# Allegro board TNR_REV00_150306.brd (continued)
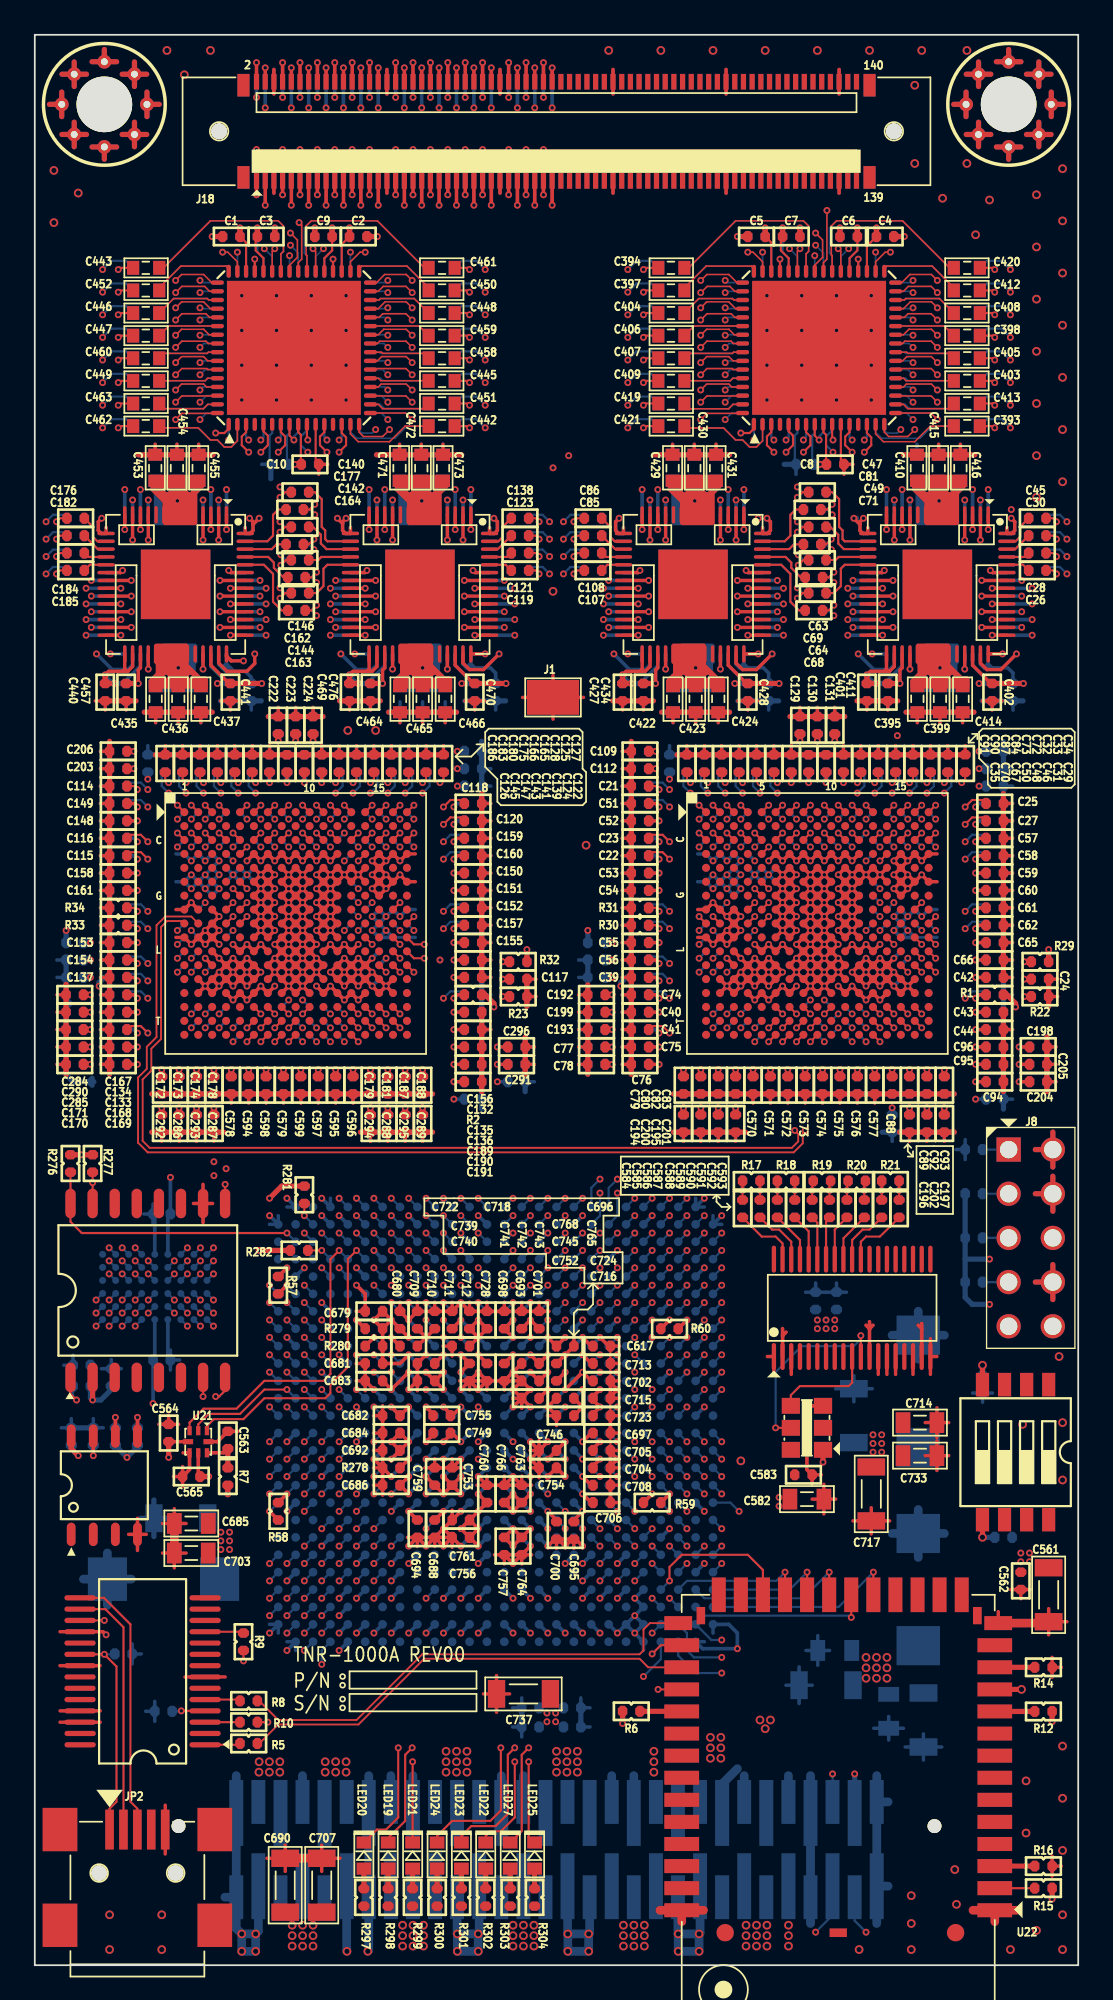
[diagram p0: board, top side]
## Routing (per net, layer and track width the routed paths; a pad name or vN(x,y) marks a point on that pad's centre or on a via; arc(x,y) is an arc through that point) (continued)
MUX_DIN3: length 6.6
  TOP w0.125: U2.12 16.65,88.15 16.4,87.9 16.4,87.4 v1(16.8,87)
  3-IN w0.095: v1(14,87.7) 14.5,88.2 16,88.2 16.3,87.9 16.3,87.5 v1(16.8,87)
  BOTTOM w0.125: U3.10 14.15,87.85 v1(14,87.7)
MUX_DIN4: length 34.3
  4-IN w0.095: v1(44.2,87.7) 43.4,88.5 40.3,88.5 39.5,87.7 18.6,87.7 18,88.3 13.6,88.3 v1(13,87.7)
  BOTTOM w0.125: U3.12 13.15,87.85 v1(13,87.7) ; v1(44.2,87.7) 44.35,87.85 U4.10
MUX_LE: length 94.9
  TOP w0.125: v1(44.2,87) 44.6,87.4 44.6,87.9 44.35,88.15 U1.7 ; v1(14,87) 14.4,87.4 14.4,87.9 14.15,88.15 U2.7
  4-IN w0.095: v1(14,87) v1(15.7,87) 16.3,86.4 29.5,86.4 v1(29.8,86.1) 30.1,86.4 43.6,86.4 v1(44.2,87) v1(45.9,87)
  6-IN w0.095: v1(29.8,86.1) 29.8,85.5 24.2,79.9 24.2,75.3 25.6,73.9 25.6,47.6 26.6,46.6 26.6,41.2 27.2,40.6 27.6,40.6 28,40.2 28,39.9 28.3,39.6 28.7,39.6 29,39.3 29,37.6 v1(29.5,37.1)
  BOTTOM w0.125: U4.7 45.85,88.25 45.5,87.9 45.5,87.4 v1(45.9,87) ; v1(15.7,87) 15.3,87.4 15.3,87.9 15.65,88.25 U3.7 ; U88.H11 v1(29.5,37.1)
Net_2: length 0.7
  BOTTOM w0.125: 39,25.6 v1(39.5,25.1)
Net_1056: length 1
  BOTTOM w0.125: v1(43.2,87.7) 43.35,87.85 43.35,88.6
Net_1114: length 0.6
  BOTTOM w0.125: 15,64.7 v1(15.4,64.3)
Net_1207: length 0.6
  BOTTOM w0.125: 45,64.7 v1(45.4,64.3)
Net_1333: length 0.6
  TOP w0.125: 48.2,55.1 v1(48.6,54.7)
Net_1426: length 0.6
  TOP w0.125: 18.2,55.1 v1(18.6,54.7)
PM_CLK: length 21.1
  12-IN w0.095: v1(34.5,22.1) 35,21.6 40.1,21.6 44.17,17.52 44.17,12.7 v1(45.88,11)
  BOTTOM w0.125: U88.AB5 v1(34.5,22.1) ; J20.55 v1(45.88,11)
PM_CS: length 32.7
  12-IN w0.095: v1(44.9,1.9) 42.98,3.83 42.98,16.93 40.2,19.7 34.1,19.7 33,20.8 33,21.6 v1(33.5,22.1)
  BOTTOM w0.125: U88.AB6 v1(33.5,22.1) ; J20.56 45.88,2.88 v1(44.9,1.9)
PM_SDI: length 34.4
  12-IN w0.095: v1(32.5,22.1) U88.AB7 33.7,22.6 34,22.3 34,20.9 34.3,20.6 40.2,20.6 43.58,17.23 43.58,6.12 v1(47.8,1.9)
  BOTTOM w0.125: v1(47.8,1.9) 47.15,2.56 J20.58 ; U88.AB7 v1(32.5,22.1)
T/R1: length 1.4
  TOP w0.125: C26.2 56.83,80.53 U13.52
T/R2: length 1.3
  TOP w0.125: C28.2 56.92,80.97 U13.53
T/R3: length 1.6
  TOP w0.125: C30.2 56.38,81.42 55.9,81.42
T/R4: length 2.1
  TOP w0.125: C45.2 56.66,82.71 56.66,82.14 56.4,81.88 U13.55
T/R5: length 4.8
  TOP w0.125: U13.16 46.58,81.88 46.45,82 46.45,82.5 46.25,82.7 46.25,84.3 45.85,84.7 C47.2
T/R6: length 3.2
  TOP w0.125: 47.9,81.42 46.52,81.42 46.2,81.75 46.2,82.25 45.75,82.7 C49.2
T/R7: length 2.5
  TOP w0.125: 45.42,80.8 C63.2 46.05,80.8 46.23,80.97 U13.18
T/R8: length 3.7
  TOP w0.125: U13.19 46.58,80.53 46.35,80.3 46.35,79.3 45.95,78.9 C64.2 45.42,78.9
T/R9: length 4.5
  TOP w0.125: 44.38,77.9 C68.2 43.95,77.9 43.45,78.4 43.45,80 42.92,80.53 U14.52
T/R10: length 3.2
  TOP w0.125: 44.38,79.8 C69.2 44.05,79.8 43.5,80.35 43.5,80.65 43.17,80.97 U14.53
T/R11: length 2.5
  TOP w0.125: 41.85,81.42 43.38,81.42 43.65,81.7 C71.2 44.27,81.7
T/R12: length 3.8
  TOP w0.125: C81.2 43.75,83.7 43.45,83.4 43.45,82.2 43.12,81.88 U14.55
T/R13: length 2.1
  TOP w0.125: C86.2 33.1,82.7 33.1,82.12 33.35,81.88 U14.16
T/R14: length 1.6
  TOP w0.125: 33.85,81.42 33.38,81.42 C85.2
T/R15: length 1.3
  TOP w0.125: U14.18 32.83,80.97 C108.2
T/R16: length 1.4
  TOP w0.125: C107.2 32.92,80.53 U14.19
T/R17: length 1.4
  TOP w0.125: U16.52 27.07,80.53 C119.2
T/R18: length 1.3
  TOP w0.125: U16.53 27.18,80.97 C121.2
T/R19: length 1.6
  TOP w0.125: C123.2 26.62,81.42 26.15,81.42
T/R20: length 2.1
  TOP w0.125: C138.2 26.89,82.69 26.89,82.11 26.65,81.88 U16.55
T/R21: length 4.8
  TOP w0.125: U16.16 16.82,81.88 16.7,82 16.7,82.5 16.5,82.7 16.5,84.3 16.1,84.7 C140.2
T/R22: length 3.2
  TOP w0.125: 18.15,81.42 16.77,81.42 16.45,81.75 16.45,82.25 16,82.7 C142.2
T/R23: length 2.5
  TOP w0.125: U16.18 16.48,80.97 16.3,80.8 C146.2 15.68,80.8
T/R24: length 3.7
  TOP w0.125: 15.68,78.9 C144.2 16.2,78.9 16.6,79.3 16.6,80.3 16.82,80.53 U16.19
T/R25: length 4.5
  TOP w0.125: U15.52 13.18,80.53 13.7,80 13.7,78.4 14.2,77.9 C163.2 14.62,77.9
T/R26: length 3.2
  TOP w0.125: U15.53 13.43,80.97 13.75,80.65 13.75,80.35 14.3,79.8 C162.2 14.62,79.8
T/R27: length 2.5
  TOP w0.125: 14.53,81.7 C164.2 13.9,81.7 13.62,81.42 12.1,81.42
T/R28: length 3.8
  TOP w0.125: C177.2 14,83.7 13.7,83.4 13.7,82.2 13.38,81.88 U15.55
T/R29: length 2.1
  TOP w0.125: U15.16 3.6,81.88 3.35,82.12 3.35,82.7 C176.2
T/R30: length 1.6
  TOP w0.125: C182.2 3.62,81.42 4.1,81.42
T/R31: length 1.3
  TOP w0.125: C184.2 3.08,80.97 U15.18
T/R32: length 1.4
  TOP w0.125: U15.19 3.17,80.53 C185.2
T/R33: length 1.4
  BOTTOM w0.125: U18.52 3.17,80.53 C212.2
T/R34: length 1.3
  BOTTOM w0.125: C214.2 3.08,80.97 U18.53
T/R35: length 1.6
  BOTTOM w0.125: C216.2 3.62,81.42 4.1,81.42
T/R36: length 2.1
  BOTTOM w0.125: U18.55 3.6,81.88 3.35,82.12 3.35,82.7 C231.2
T/R37: length 3.8
  BOTTOM w0.125: U18.16 13.38,81.88 13.7,82.2 13.7,83.4 14,83.7 C233.2
T/R38: length 2.5
  BOTTOM w0.125: C235.2 13.9,81.7 13.62,81.42 12.1,81.42
T/R39: length 3.1
  BOTTOM w0.125: C250.2 14.3,79.8 13.75,80.35 13.75,80.65 13.43,80.97 U18.18
T/R40: length 4.5
  BOTTOM w0.125: C252.2 14.2,77.9 13.7,78.4 13.7,80 13.18,80.53 U18.19
T/R41: length 3.7
  BOTTOM w0.125: C256.2 16.2,78.9 16.6,79.3 16.6,80.3 16.82,80.53 U17.52
T/R42: length 2.5
  BOTTOM w0.125: U17.53 16.48,80.97 16.3,80.8 C255.2
T/R43: length 3.2
  BOTTOM w0.125: C257.2 16,82.7 16.45,82.25 16.45,81.75 16.77,81.42 18.15,81.42
T/R44: length 4.8
  BOTTOM w0.125: U17.55 16.82,81.88 16.7,82 16.7,82.5 16.5,82.7 16.5,84.3 16.1,84.7 C268.2
T/R45: length 2.2
  BOTTOM w0.125: C269.2 26.9,82.7 26.9,82.1 26.68,81.88 U17.16
T/R46: length 1.6
  BOTTOM w0.125: C275.2 26.62,81.42 26.15,81.42
T/R47: length 1.3
  BOTTOM w0.125: C276.2 27.18,80.97 U17.18
T/R48: length 1.4
  BOTTOM w0.125: U17.19 27.07,80.53 C297.2
T/R49: length 1.4
  BOTTOM w0.125: U19.52 32.92,80.53 C305.2
T/R50: length 1.3
  BOTTOM w0.125: C307.2 32.83,80.97 U19.53
T/R51: length 1.6
  BOTTOM w0.125: 33.85,81.42 33.38,81.42 C309.2
T/R52: length 2.1
  BOTTOM w0.125: C324.2 33.1,82.7 33.1,82.12 33.35,81.88 U19.55
T/R53: length 3.8
  BOTTOM w0.125: U19.16 43.12,81.88 43.45,82.2 43.45,83.4 43.75,83.7 C326.2
T/R54: length 2.5
  BOTTOM w0.125: C328.2 43.65,81.7 43.38,81.42 41.85,81.42
T/R55: length 3.1
  BOTTOM w0.125: U19.18 43.17,80.97 43.5,80.65 43.5,80.35 44.05,79.8 C344.2
T/R56: length 4.5
  BOTTOM w0.125: C347.2 43.95,77.9 43.45,78.4 43.45,80 42.92,80.53 U19.19
T/R57: length 3.7
  BOTTOM w0.125: C346.2 45.95,78.9 46.35,79.3 46.35,80.3 46.58,80.53 U20.52
T/R58: length 2.5
  BOTTOM w0.125: C348.2 46.05,80.8 46.23,80.97 U20.53
T/R59: length 3.2
  BOTTOM w0.125: C351.2 45.75,82.7 46.2,82.25 46.2,81.75 46.52,81.42 47.9,81.42
T/R60: length 4.8
  BOTTOM w0.125: U20.55 46.58,81.88 46.45,82 46.45,82.5 46.25,82.7 46.25,84.3 45.85,84.7 C353.2
T/R61: length 2.1
  BOTTOM w0.125: C355.2 56.66,82.71 56.66,82.14 56.4,81.88 U20.16
T/R62: length 1.6
  BOTTOM w0.125: 55.9,81.42 56.38,81.42 C363.2
T/R63: length 1.3
  BOTTOM w0.125: U20.18 56.92,80.97 C370.2
T/R64: length 1.4
  BOTTOM w0.125: U20.19 56.83,80.53 C389.2
TCK: length 29.1
  6-IN w0.095: J8.1 57.2,45.7 57.2,43.7 56.6,43.1 53.6,43.1 51.1,40.6 36,40.6 v1(35.5,40.1)
  BOTTOM w0.125: R272.1 J8.1 ; U88.E5 v1(35.5,40.1)
TDI: length 23.8
  6-IN w0.095: J8.5 53.42,41.82 51.2,39.6 36,39.6 v1(35.5,39.1)
  BOTTOM w0.125: R274.2 J8.5 ; U88.F5 v1(35.5,39.1)
TDO: length 26
  6-IN w0.095: v1(33.5,40.1) 34,39.6 34,39 34.4,38.6 55.32,38.6 J8.7
  BOTTOM w0.125: U88.E7 v1(33.5,40.1) ; R275.2 J8.7
TMS: length 25.8
  6-IN w0.095: v1(34.5,40.1) 35,40.6 35,41.2 35.4,41.6 51.2,41.6 53.96,44.36 J8.3
  BOTTOM w0.125: U88.E6 v1(34.5,40.1) ; R273.2 J8.3
UART0_CTS: length 26.5
  TOP w0.125: R9.2 v1(12,17.5) ; U22.30 v1(35.84,15.86)
  12-IN w0.095: v1(12,17.5) 13.64,15.86 v1(35.84,15.86)
UART0_RTS: length 26.2
  TOP w0.125: v1(35.5,17.9) 36,18.4 U22.28 ; R10.2 v1(13.4,13.97)
  6-IN w0.095: v1(13.4,13.97) 21.98,13.97 25.9,17.9 v1(35.5,17.9)
UART0_RX: length 26.6
  TOP w0.11: R5.2 12.91,12.75 14,13.84 18.61,13.84 22.39,17.62 34.78,17.62 35.27,17.13 U22.29
UART0_TX: length 27.7
  TOP w0.11: R8.2 12.9,15.2 14,14.1 18.5,14.1 22.28,17.88 34.78,17.88 35,18.1 35,19.3 35.37,19.67 U22.27
VTT2: length 0.7
  BOTTOM w0.125: U88.N20 v1(19.5,32.1)
VTT3: length 0.7
  BOTTOM w0.125: U88.P20 v1(19.5,30.1)
VTT6: length 0.7
  BOTTOM w0.125: U88.P7 v1(33.5,30.1)
VTT7: length 0.7
  BOTTOM w0.125: U88.N7 v1(33.5,32.1)
WIFI_SDIO_CLK: length 7.1
  TOP w0.125: v1(44.41,22.6) U22.22
  BOTTOM w0.125: U88.AC1 43.41,21.6 v1(44.41,22.6)
WIFI_SDIO_CMD: length 9.8
  TOP w0.125: U22.21 v1(45.68,22.6)
  BOTTOM w0.125: U88.AC2 38.5,21.1 44.18,21.1 v1(45.68,22.6)
WIFI_SDIO_DATA0: length 7.9
  TOP w0.125: U22.23 v1(43.14,22.6)
  BOTTOM w0.125: v1(43.14,22.6) 42.64,22.1 37.5,22.1 U88.AC3
WIFI_SDIO_DATA1: length 9
  TOP w0.125: U22.24 41.87,22.73 41,23.6 37.2,23.6 36.5,22.9 v1(36.5,22.1)
  BOTTOM w0.125: U88.AC4 v1(36.5,22.1)
WIFI_SDIO_DATA2: length 11.3
  TOP w0.125: U22.19 v1(48.22,22.6)
  BOTTOM w0.125: U88.AD1 46.22,20.6 v1(48.22,22.6)
WIFI_SDIO_DATA3: length 10.5
  TOP w0.125: U22.20 v1(46.95,20)
  BOTTOM w0.125: U88.AD2 38.5,20.1 46.85,20.1 v1(46.95,20)
XDCR1: length 65.1
  TOP w0.125: v1(47.7,87) 48.1,87.4 48.1,87.85 47.85,88.1 U1.14
  TOP w0.21: J18.1 v1(12.75,101.8)
  12-IN w0.095: v1(12.75,101.8) 12.75,103.85 15,106.1 46.3,106.1 53.1,99.3 53.1,93 52.6,92.5 52.6,88.9 50.7,87 v1(47.7,87)
XDCR2: length 36
  TOP w0.125: v1(17.5,87) 17.9,87.4 17.9,87.85 17.65,88.1 U2.14
  8-IN w0.095: v1(17.5,87) 20.5,87 22.8,89.3 22.8,97.3 21.9,98.2 19.53,98.2 19.03,97.7 12.4,97.7 12.1,98 12.1,99.4 12.3,99.6 12.3,103.95 v1(12.75,104.4)
  BOTTOM w0.21: J19.139 v1(12.75,104.4)
XDCR3: length 57.4
  TOP w0.095: U1.17 51.52,89.25 v1(51.9,88.88)
  TOP w0.21: J18.2 v1(12.75,109.4)
  6-IN w0.095: v1(12.75,109.4) 12.75,108.87 13.32,108.3 29.2,108.3 35.2,102.3 48.4,102.3 51,99.7 51,89.78 v1(51.9,88.88)
XDCR4: length 35.8
  TOP w0.095: U2.17 21.32,89.25 v1(21.7,88.88)
  8-IN w0.095: v1(21.7,88.88) 21.18,89.4 11.6,89.4 10.4,90.6 10.4,97.1 9,98.5 9,106 10.4,107.4 v1(12.75,107.4)
  BOTTOM w0.21: J19.140 v1(12.75,107.4)
XDCR5: length 58.5
  TOP w0.095: U1.20 49.95,90.75 50.12,90.92 51.56,90.92 v1(51.9,90.58)
  TOP w0.21: J18.3 v1(13.25,101.2)
  12-IN w0.095: v1(13.25,101.2) 13.25,102.85 13.8,103.4 13.8,104.5 15,105.7 46.1,105.7 52.7,99.1 52.7,93.3 52.3,92.9 52.3,90.97 v1(51.9,90.58)
XDCR6: length 31.8
  TOP w0.095: v1(21.7,90.58) 21.36,90.92 19.92,90.92 19.75,90.75 U2.20
  8-IN w0.095: v1(13.25,103.8) 13.25,104.55 13,104.8 12.48,104.8 11.2,103.52 11.2,98.1 12,97.3 19.05,97.3 19.65,97.9 21.78,97.9 22.5,97.18 22.5,91.38 v1(21.7,90.58)
  BOTTOM w0.21: J19.137 v1(13.25,103.8)
XDCR7: length 53.4
  TOP w0.095: v1(51.9,92.15) 51.56,92.49 50.14,92.49 49.9,92.25 U1.23
  TOP w0.21: J18.4 v1(13.25,109.1)
  6-IN w0.095: v1(13.25,109.1) 13.85,108.5 29.8,108.5 35.5,102.8 48.6,102.8 51.5,99.9 51.5,92.55 v1(51.9,92.15)
XDCR8: length 31.3
  TOP w0.095: U2.23 19.7,92.25 19.94,92.49 21.36,92.49 v1(21.7,92.15)
  6-IN w0.095: v1(13.25,106.8) 9.3,102.85 9.3,98.7 10.7,97.3 20.5,97.3 20.8,97 20.8,93.05 v1(21.7,92.15)
  BOTTOM w0.21: J19.138 v1(13.25,106.8)
XDCR9: length 52.4
  TOP w0.095: v1(51.9,93.72) 51.56,94.07 50.27,94.07 49.95,93.75 U1.26
  TOP w0.21: J18.7 v1(14.25,101.8)
  12-IN w0.095: v1(51.9,93.72) 52.3,94.12 52.3,98.92 45.92,105.3 15.4,105.3 14.8,104.7 14.8,104.4 14.25,103.85 v1(14.25,101.8)
XDCR10: length 31.4
  TOP w0.095: v1(21.7,93.72) 21.36,94.07 20.07,94.07 19.75,93.75 U2.26
  8-IN w0.095: v1(14.25,104.4) 13.43,105.22 12.32,105.22 9.78,102.68 9.78,98.82 11.7,96.9 19.1,96.9 19.78,97.58 21.64,97.58 22.18,97.04 22.18,94.21 v1(21.7,93.72)
  BOTTOM w0.21: J19.133 v1(14.25,104.4)
XDCR11: length 50.8
  TOP w0.095: U1.29 49.95,95.25 50.34,95.64 51.56,95.64 v1(51.9,95.3)
  TOP w0.21: J18.8 v1(14.25,109.4)
  6-IN w0.095: v1(14.25,109.4) 14.25,108.95 14.5,108.7 30.4,108.7 35.8,103.3 48.8,103.3 52.4,99.7 52.4,95.8 v1(51.9,95.3)
XDCR12: length 28.4
  TOP w0.095: U2.29 19.75,95.25 20.14,95.64 21.36,95.64 v1(21.7,95.3)
  6-IN w0.095: v1(14.25,107.4) 14.25,106.95 13.6,106.3 13.3,106.3 9.7,102.7 9.7,99 11,97.7 20.7,97.7 21.3,97.1 21.3,95.7 v1(21.7,95.3)
  BOTTOM w0.21: J19.134 v1(14.25,107.4)
XDCR13: length 48.6
  TOP w0.095: U1.32 49.85,96.75 50.32,97.22 51.56,97.22 v1(51.9,96.88)
  TOP w0.21: J18.9 v1(14.75,101.2)
  12-IN w0.095: v1(14.75,101.2) 14.75,102.9 15.26,103.41 15.26,103.86 15.8,104.4 15.8,104.7 16,104.9 45.7,104.9 51.9,98.7 v1(51.9,96.88)
XDCR14: length 29.6
  TOP w0.095: v1(21.7,96.88) 21.36,97.22 20.12,97.22 19.65,96.75 U2.32
  8-IN w0.095: v1(21.7,96.88) 21.27,97.3 19.9,97.3 19.1,96.5 11.5,96.5 9.4,98.6 9.4,102.9 12.1,105.6 13.8,105.6 14.75,104.65 v1(14.75,103.8)
  BOTTOM w0.21: J19.131 v1(14.75,103.8)
XDCR15: length 39.2
  TOP w0.095: v1(46.2,98.7) 46.35,98.55 U1.38
  TOP w0.21: J18.10 v1(14.75,109.1)
  3-IN w0.095: v1(14.75,109.1) 14.75,109.5 15.35,110.1 31.4,110.1 40.3,101.2 44.1,101.2 46.2,99.1 v1(46.2,98.7)
XDCR16: length 15.3
  TOP w0.095: U2.38 16.15,98.55 v1(16,98.7)
  6-IN w0.095: v1(16,98.7) 15.7,99 15.7,100.4 15.4,100.7 12.9,100.7 12.2,101.4 12.2,104.6 13,105.4 13.35,105.4 v1(14.75,106.8)
  BOTTOM w0.21: J19.132 v1(14.75,106.8)
XDCR17: length 34.6
  TOP w0.095: v1(44.9,99.6) 45.3,99.2 45.3,98.2 44.85,97.75 U1.41
  TOP w0.21: J18.11 v1(15.25,101.8)
  6-IN w0.095: v1(44.9,99.6) 44.9,99.8 43.7,101 31.8,101 30.3,102.5 15.95,102.5 v1(15.25,101.8)
XDCR18: length 10.1
  TOP w0.095: v1(14.7,99.6) 15.1,99.2 15.1,98.2 14.65,97.75 U2.41
  8-IN w0.095: v1(14.7,99.6) 14.7,100.1 13.8,101 13.8,102.1 15.25,103.55 v1(15.25,104.4)
  BOTTOM w0.21: J19.129 v1(15.25,104.4)
XDCR19: length 34.1
  TOP w0.095: U1.47 41.85,97.95 41.3,98.5 v1(41,98.5)
  TOP w0.21: J18.12 v1(15.25,109.4)
  3-IN w0.095: v1(41,98.5) 41,99.75 30.95,109.8 15.65,109.8 v1(15.25,109.4)
XDCR20: length 17.4
  TOP w0.095: U2.47 11.65,97.95 11.1,98.5 v1(10.8,98.5)
  3-IN w0.095: v1(10.8,98.5) 10.3,98.5 9.5,99.3 9.5,105.8 11.5,107.8 14.85,107.8 v1(15.25,107.4)
  BOTTOM w0.21: J19.130 v1(15.25,107.4)
XDCR21: length 30
  TOP w0.095: U1.50 40.25,96.25 39.97,96.53 38.66,96.53 38.31,96.17 v1(38.29,96.17)
  TOP w0.21: J18.13 v1(15.75,101.2)
  12-IN w0.095: v1(15.75,101.2) 15.75,101.95 16,102.2 19.5,102.2 21.7,100 34.47,100 v1(38.29,96.17)
XDCR22: length 17
  TOP w0.095: U2.50 10.05,96.25 9.77,96.53 8.46,96.53 v1(8.1,96.17)
  9-IN w0.095: v1(8.1,96.17) 9.22,97.3 13.2,97.3 14.2,98.3 14.2,101.2 14.8,101.8 14.8,102.1 15.75,103.05 v1(15.75,103.8)
  BOTTOM w0.21: J19.127 v1(15.75,103.8)
XDCR23: length 38
  TOP w0.095: U1.53 40.25,94.75 40.04,94.96 38.65,94.96 v1(38.29,94.6)
  TOP w0.21: J18.14 v1(15.75,109.1)
  3-IN w0.095: v1(38.29,94.6) 39,94.6 39.4,94.2 40,94.2 40.2,94.4 40.2,97.4 29.7,107.9 16.8,107.9 15.75,108.95 v1(15.75,109.1)
XDCR24: length 24.4
  TOP w0.095: v1(8.1,94.6) 8.46,94.96 9.84,94.96 10.05,94.75 U2.53
  3-IN w0.095: v1(8.1,94.6) 8.9,95.4 8.9,105.8 11.2,108.1 15.2,108.1 15.75,107.55 v1(15.75,106.8)
  BOTTOM w0.21: J19.128 v1(15.75,106.8)
XDCR25: length 30.7
  TOP w0.095: U1.56 40.17,93.25 40.04,93.38 38.65,93.38 v1(38.29,93.03)
  TOP w0.21: J18.15 v1(16.25,101.8)
  12-IN w0.095: v1(16.25,101.8) 16.7,101.8 17.3,101.2 17.3,100.95 17.55,100.7 20.3,100.7 21.4,99.6 34.3,99.6 37.9,96 37.9,93.42 v1(38.29,93.03)
XDCR26: length 21.8
  TOP w0.095: v1(8.1,93.03) 8.46,93.38 9.84,93.38 9.97,93.25 U2.56
  9-IN w0.095: v1(8.1,93.03) 8.45,93.37 9.77,93.37 10.1,93.7 10.1,95.7 11.4,97 14.1,97 15.2,98.1 15.2,99.4 15.7,99.9 15.7,100.5 15.3,100.9 15.3,101.3 15.7,101.7 15.7,102 16.25,102.55 v1(16.25,104.4)
  BOTTOM w0.21: J19.125 v1(16.25,104.4)
XDCR27: length 41.8
  TOP w0.095: v1(38.29,91.45) 38.65,91.81 40.1,91.81 40.16,91.75 U1.59
  TOP w0.21: J18.16 v1(16.25,109.4)
  3-IN w0.095: v1(16.25,109.4) 16.25,108.95 16.9,108.3 29.8,108.3 40.55,97.55 40.55,91.55 40,91 39.45,91 39,91.45 v1(38.29,91.45)
XDCR28: length 28.1
  TOP w0.095: v1(8.1,91.45) 8.46,91.81 9.9,91.81 9.96,91.75 U2.59
  3-IN w0.095: v1(8.1,91.45) 7.7,91.85 7.7,93.12 7.3,93.53 7.3,104.8 10.9,108.4 15.4,108.4 16.25,107.55 v1(16.25,107.4)
  BOTTOM w0.21: J19.126 v1(16.25,107.4)
XDCR29: length 33.4
  TOP w0.095: U1.62 40.68,90.23 38.65,90.23 v1(38.29,89.88)
  TOP w0.21: J18.17 v1(16.75,101.2)
  12-IN w0.095: v1(38.29,89.88) 37.6,90.57 37.6,95.8 34.2,99.2 21.2,99.2 20.1,100.3 17.34,100.3 16.75,100.89 v1(16.75,101.2)
XDCR30: length 24.1
  TOP w0.095: U2.62 10.48,90.23 8.46,90.23 v1(8.1,89.88)
  9-IN w0.095: v1(16.75,103.8) 16.75,101.75 16.3,101.3 16.3,100.9 16.6,100.6 16.6,99.6 16.3,99.3 15.9,99.3 15.6,99 15.6,97.9 14.4,96.7 11.8,96.7 10.8,95.7 10.8,91.2 9.83,90.23 8.46,90.23 v1(8.1,89.88)
  BOTTOM w0.21: J19.123 v1(16.75,103.8)
XDCR31: length 40.5
  TOP w0.125: v1(40.6,88.1) 41.1,88.1 41.35,88.35 U1.1
  TOP w0.21: J18.18 v1(16.75,109.1)
  3-IN w0.095: v1(16.75,109.1) 17.25,108.6 30,108.6 40.9,97.7 40.9,88.4 v1(40.6,88.1)
XDCR32: length 34.8
  TOP w0.125: v1(10.4,88.1) 10.9,88.1 11.15,88.35 U2.1
  3-IN w0.095: v1(16.75,106.8) 16.75,107.45 15.5,108.7 10.6,108.7 6.8,104.9 6.8,93.53 7.36,92.96 7.36,89.04 8.3,88.1 v1(10.4,88.1)
  BOTTOM w0.21: J19.124 v1(16.75,106.8)
XDCR33: length 19.9
  TOP w0.21: J18.19 v1(17.25,101.8)
  3-IN w0.095: v1(12.3,87.7) 11.3,88.7 11.3,94.7 14.2,97.6 14.2,99.9 14.9,100.6 16.8,100.6 17.25,101.05 v1(17.25,101.8)
  BOTTOM w0.125: U3.14 12.15,87.85 v1(12.3,87.7)
XDCR34: length 40.2
  8-IN w0.095: v1(17.25,104.4) 17.25,103.65 18.8,102.1 18.8,101.7 19.3,101.2 19.3,101 20.5,99.8 33.4,99.8 36.6,96.6 36.6,89.6 38.9,87.3 42.1,87.3 v1(42.5,87.7)
  BOTTOM w0.125: v1(42.5,87.7) 42.35,87.85 U4.14
  BOTTOM w0.21: J19.121 v1(17.25,104.4)
XDCR35: length 32.6
  TOP w0.21: J18.20 v1(17.25,109.4)
  9-IN w0.095: v1(17.25,109.4) 17.25,108.95 17,108.7 10.9,108.7 6.7,104.5 6.7,90.4 7.7,89.4 8.97,89.4 v1(9.5,88.88)
  BOTTOM w0.095: v1(9.5,88.88) 9.88,89.25 U3.17
XDCR36: length 37
  3-IN w0.095: v1(17.25,107.4) 17.25,106.25 18.5,105 29.5,105 37.5,97 37.5,90 38.1,89.4 39.17,89.4 v1(39.7,88.88)
  BOTTOM w0.095: v1(39.7,88.88) 40.08,89.25 U4.17
  BOTTOM w0.21: J19.122 v1(17.25,107.4)
XDCR37: length 21.2
  TOP w0.21: J18.21 v1(17.75,101.2)
  3-IN w0.095: v1(17.75,101.2) 17.75,102.05 17.3,102.5 14.2,102.5 13.7,102 13.7,100.7 13.3,100.3 13.3,99.5 12.8,99 12.8,98.5 13.1,98.2 13.1,97.9 10.7,95.5 10.7,91.78 v1(9.5,90.58)
  BOTTOM w0.095: v1(9.5,90.58) 9.68,90.75 U3.20
XDCR38: length 33.1
  8-IN w0.095: v1(39.7,90.58) 39.27,91 37.9,91 37.2,91.7 37.2,96.8 33.8,100.2 20.7,100.2 20.2,100.7 20.2,101.4 17.8,103.8 v1(17.75,103.8)
  BOTTOM w0.095: v1(39.7,90.58) 39.88,90.75 U4.20
  BOTTOM w0.21: J19.119 v1(17.75,103.8)
XDCR39: length 28.6
  TOP w0.21: J18.22 v1(17.75,109.1)
  9-IN w0.095: v1(9.5,92.15) 9.05,92.6 7.8,92.6 7.1,93.3 7.1,104.5 11,108.4 17.3,108.4 17.75,108.85 v1(17.75,109.1)
  BOTTOM w0.095: v1(9.5,92.15) 9.6,92.25 U3.23
XDCR40: length 33.5
  3-IN w0.095: v1(17.75,106.8) 17.75,106.35 18.7,105.4 29.9,105.4 37.8,97.5 37.8,92.9 38.1,92.6 39.25,92.6 v1(39.7,92.15)
  BOTTOM w0.095: v1(39.7,92.15) 39.8,92.25 U4.23
  BOTTOM w0.21: J19.120 v1(17.75,106.8)
XDCR41: length 18.1
  TOP w0.21: J18.23 v1(18.25,101.8)
  3-IN w0.095: v1(9.5,93.72) 10.1,94.33 10.1,95.9 12.1,97.9 12.1,99.1 12.3,99.3 12.3,102 13.1,102.8 17.6,102.8 18.25,102.15 v1(18.25,101.8)
  BOTTOM w0.095: U3.26 9.53,93.75 v1(9.5,93.72)
XDCR42: length 30.8
  8-IN w0.095: v1(39.7,93.72) 39,94.42 39,96.9 35.3,100.6 20.85,100.6 20.5,100.95 20.5,101.52 18.25,103.77 v1(18.25,104.4)
  BOTTOM w0.095: v1(39.7,93.72) 39.73,93.75 U4.26
  BOTTOM w0.21: J19.117 v1(18.25,104.4)
XDCR43: length 26
  TOP w0.21: J18.24 v1(18.25,109.4)
  9-IN w0.095: v1(9.5,95.3) 9.1,95.7 7.9,95.7 7.5,96.1 7.5,104.5 11.1,108.1 17.6,108.1 18.25,108.75 v1(18.25,109.4)
  BOTTOM w0.095: U3.29 9.55,95.25 v1(9.5,95.3)
XDCR44: length 29.5
  3-IN w0.095: v1(18.25,107.4) 18.25,106.45 18.9,105.8 30.2,105.8 38.8,97.2 38.8,96.2 v1(39.7,95.3)
  BOTTOM w0.095: U4.29 39.75,95.25 v1(39.7,95.3)
  BOTTOM w0.21: J19.118 v1(18.25,107.4)
XDCR45: length 17.6
  TOP w0.21: J18.25 v1(18.75,101.2)
  3-IN w0.095: v1(18.75,101.2) 18.75,102.25 17.9,103.1 12.9,103.1 11.2,101.4 11.2,98.2 9.88,96.88 v1(9.5,96.88)
  BOTTOM w0.095: v1(9.5,96.88) 9.62,96.75 U3.32
XDCR46: length 26.1
  8-IN w0.095: v1(39.7,96.88) 34.17,102.4 20.15,102.4 v1(18.75,103.8)
  BOTTOM w0.095: v1(39.7,96.88) 39.83,96.75 U4.32
  BOTTOM w0.21: J19.115 v1(18.75,103.8)
XDCR47: length 22.4
  TOP w0.21: J18.26 v1(18.75,109.1)
  9-IN w0.095: v1(13.2,98.7) 12.6,99.3 11.5,99.3 9.6,101.2 9.6,106.1 11.3,107.8 17.8,107.8 18.75,108.75 v1(18.75,109.1)
  BOTTOM w0.095: v1(13.2,98.7) 13.65,98.25 U3.38
XDCR48: length 31.2
  8-IN w0.095: v1(43.4,98.7) 42.7,99.4 41.8,99.4 36.1,105.1 20.1,105.1 18.75,106.45 v1(18.75,106.8)
  BOTTOM w0.095: U4.38 43.85,98.25 v1(43.4,98.7)
  BOTTOM w0.21: J19.116 v1(18.75,106.8)
XDCR49: length 9.3
  TOP w0.21: J18.27 v1(19.25,101.8)
  3-IN w0.095: v1(14.7,98.9) 15.1,99.3 18.5,99.3 19.25,100.05 v1(19.25,101.8)
  BOTTOM w0.095: U3.41 15.15,98.45 v1(14.7,98.9)
XDCR50: length 32.3
  8-IN w0.095: v1(19.25,104.4) 19.65,104.8 35.7,104.8 41.5,99 42.5,99 43.3,98.2 44.2,98.2 v1(44.9,98.9)
  BOTTOM w0.095: v1(44.9,98.9) 45.35,98.45 U4.41
  BOTTOM w0.21: J19.113 v1(19.25,104.4)
XDCR51: length 27.7
  TOP w0.21: J18.28 v1(19.25,109.4)
  11-IN w0.095: v1(18.15,98.5) 17.35,97.7 12.4,97.7 12.1,98 12.1,98.8 11.4,99.5 11.4,107.97 12.13,108.7 19,108.7 19.25,108.95 v1(19.25,109.4)
  BOTTOM w0.095: U3.47 v1(18.15,98.5)
XDCR52: length 37.3
  8-IN w0.095: v1(19.25,107.4) 19.25,106.55 20.4,105.4 44.1,105.4 48.86,100.64 48.86,99.01 v1(48.35,98.5)
  BOTTOM w0.095: U4.47 v1(48.35,98.5)
  BOTTOM w0.21: J19.114 v1(19.25,107.4)
XDCR53: length 8
  TOP w0.21: J18.29 v1(19.75,101.2)
  3-IN w0.095: v1(20.3,96.17) 19.8,96.67 19.8,97.5 20.2,97.9 20.2,100.75 v1(19.75,101.2)
  BOTTOM w0.095: v1(20.3,96.17) 20.23,96.25 U3.50
XDCR54: length 36.1
  8-IN w0.095: v1(50.5,96.17) 49.38,97.3 40.9,97.3 35.1,103.1 20.45,103.1 v1(19.75,103.8)
  BOTTOM w0.095: v1(50.5,96.17) 50.42,96.25 U4.50
  BOTTOM w0.21: J19.111 v1(19.75,103.8)
XDCR55: length 30.5
  TOP w0.21: J18.30 v1(19.75,109.1)
  11-IN w0.095: v1(20.3,94.6) 19.8,95.1 19.8,98.5 18.9,99.4 18.9,100 18.2,100.7 12.9,100.7 11.7,101.9 11.7,107.85 12.25,108.4 19.3,108.4 19.75,108.85 v1(19.75,109.1)
  BOTTOM w0.095: U3.53 20.15,94.75 v1(20.3,94.6)
XDCR56: length 42
  8-IN w0.095: v1(50.5,94.6) 51.4,95.5 51.4,98.7 44.3,105.8 20.75,105.8 v1(19.75,106.8)
  BOTTOM w0.095: U4.53 50.35,94.75 v1(50.5,94.6)
  BOTTOM w0.21: J19.112 v1(19.75,106.8)
XDCR57: length 10.9
  TOP w0.21: J18.33 v1(20.75,101.8)
  3-IN w0.095: v1(20.3,93.03) 20.75,93.47 v1(20.75,101.8)
  BOTTOM w0.095: U3.56 20.07,93.25 v1(20.3,93.03)
XDCR58: length 41.3
  8-IN w0.095: v1(50.5,93.03) 50,93.53 50,95.5 50.2,95.7 50.7,95.7 51,96 51,97 50.3,97.7 41,97.7 35.3,103.4 21.9,103.4 21.7,103.6 21.7,103.9 21.2,104.4 v1(20.75,104.4)
  BOTTOM w0.095: U4.56 50.27,93.25 v1(50.5,93.03)
  BOTTOM w0.21: J19.107 v1(20.75,104.4)
XDCR59: length 35.6
  TOP w0.21: J18.34 v1(20.75,109.4)
  11-IN w0.095: v1(20.75,109.4) 20.75,109.25 19.6,108.1 12.38,108.1 12,107.72 12,103.48 12.88,102.6 19,102.6 20.3,101.3 20.3,100.6 20.8,100.1 20.8,91.95 v1(20.3,91.45)
  12-IN w0.095: 20.75,109.25 v1(20.75,109.4)
  BOTTOM w0.095: v1(20.3,91.45) 20,91.75 U3.59
XDCR60: length 47.2
  8-IN w0.095: v1(50.5,91.45) 50.95,91 52.1,91 52.4,91.3 52.4,98.3 44.6,106.1 21.2,106.1 20.75,106.55 v1(20.75,107.4)
  BOTTOM w0.095: U4.59 50.2,91.75 v1(50.5,91.45)
  BOTTOM w0.21: J19.108 v1(20.75,107.4)
XDCR61: length 14.3
  TOP w0.21: J18.35 v1(21.25,101.2)
  3-IN w0.095: v1(21.25,101.2) 21.25,90.83 v1(20.3,89.88)
  BOTTOM w0.095: U3.62 19.93,90.25 v1(20.3,89.88)
XDCR62: length 44.5
  8-IN w0.095: v1(50.5,89.88) 49.5,90.88 49.5,95.7 48.3,96.9 40.7,96.9 34.8,102.8 20.2,102.8 19.3,103.7 19.3,103.9 19.6,104.2 20.2,104.2 20.6,103.8 v1(21.25,103.8)
  BOTTOM w0.095: U4.62 50.12,90.25 v1(50.5,89.88)
  BOTTOM w0.21: J19.105 v1(21.25,103.8)
XDCR63: length 39.3
  TOP w0.21: J18.36 v1(21.25,109.1)
  11-IN w0.095: v1(21.25,109.1) 19.95,107.8 12.5,107.8 12.3,107.6 12.3,103.6 13,102.9 19.12,102.9 20.7,101.32 20.7,100.7 21.2,100.2 21.2,90.1 20.5,89.4 20.1,89.4 19.6,88.9 v1(19.6,88.3)
  BOTTOM w0.095: v1(19.6,88.3) 19.4,88.1 18.8,88.1 18.65,88.25 U3.1
XDCR64: length 51.1
  8-IN w0.095: v1(49.8,88.3) 50.3,87.8 51.6,87.8 52.8,89 52.8,98.5 44.9,106.4 21.65,106.4 v1(21.25,106.8)
  BOTTOM w0.095: U4.1 48.85,88.25 49,88.1 49.6,88.1 v1(49.8,88.3)
  BOTTOM w0.21: J19.106 v1(21.25,106.8)
XDCR65: length 42.1
  TOP w0.095: U1.16 48.85,88.15 49.1,87.9 50.2,87.9 v1(50.6,88.3)
  TOP w0.21: J18.37 v1(21.75,101.8)
  11-IN w0.095: v1(50.6,88.3) 50.5,88.3 49.1,89.7 49.1,95.7 48.3,96.5 40.7,96.5 39,98.2 23.9,98.2 21.75,100.35 v1(21.75,101.8)
XDCR66: length 21.7
  TOP w0.095: U2.16 18.65,88.15 18.9,87.9 20,87.9 v1(20.4,88.3)
  9-IN w0.095: v1(20.4,88.3) 20.3,88.3 19.5,89.1 19.5,97.5 20.8,98.8 20.8,101.3 21.2,101.7 21.2,102.1 21.75,102.65 v1(21.75,104.4)
  BOTTOM w0.21: J19.103 v1(21.75,104.4)
XDCR67: length 49.1
  TOP w0.095: U1.19 49.52,90.23 51.54,90.23 v1(51.9,89.88)
  TOP w0.21: J18.38 v1(21.75,109.4)
  11-IN w0.095: v1(51.9,89.88) 52.9,90.88 52.9,98.5 49.7,101.7 39.6,101.7 31.2,110.1 22.2,110.1 21.75,109.65 v1(21.75,109.4)
